# Altium PCB PCB_Organo_Prueba_V2.PcbDoc (part 1 of 2)
Units mil, origin at the board's own origin, x right, y up, seen from the top; angles counter-clockwise.
Board outline 5014.03 x 3533.9 mil, 2 copper layers (Top Layer, Bottom Layer); 87 components, 109 nets, 403 pads, 117 vias.
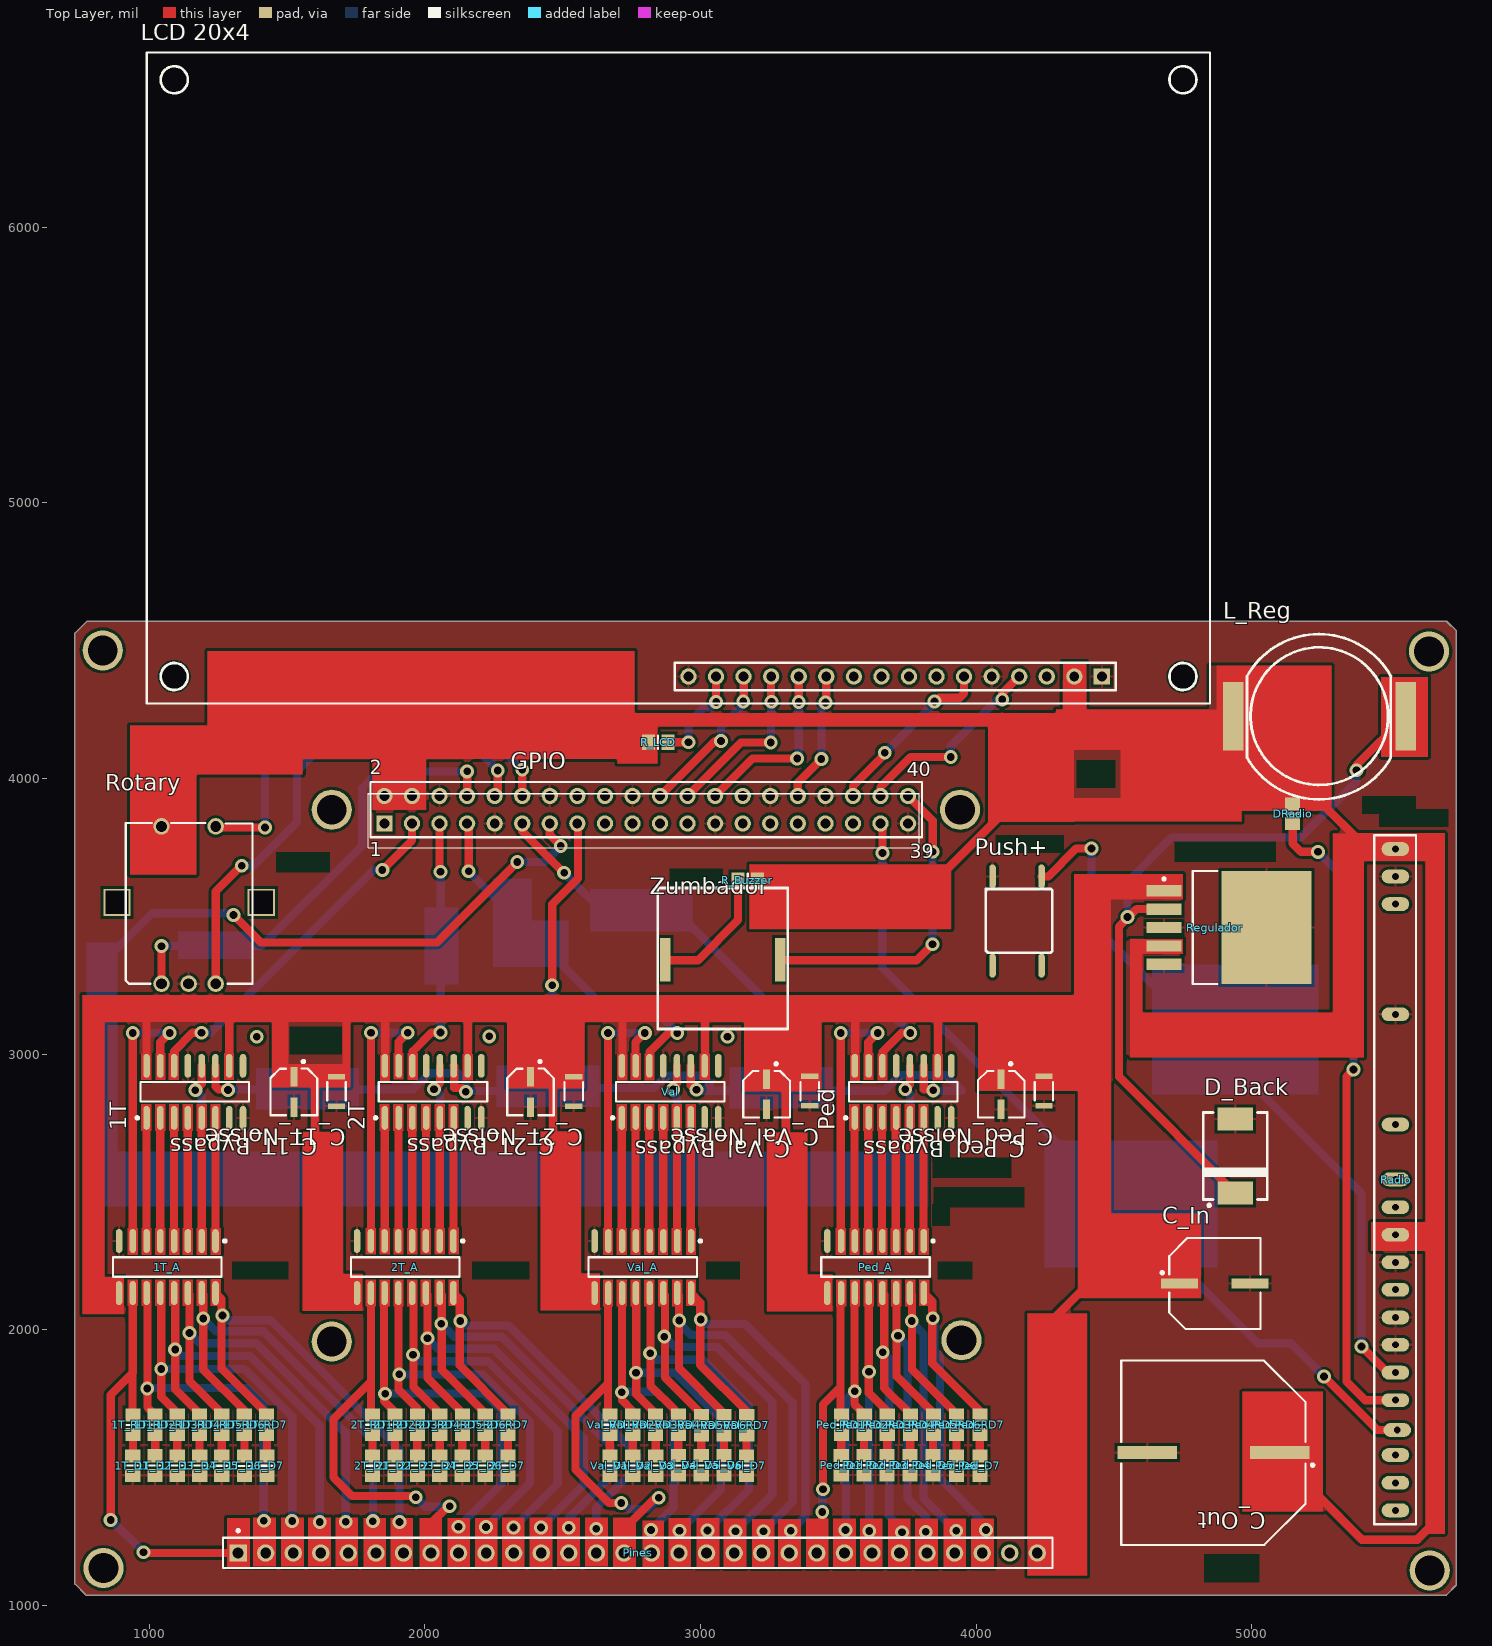
[diagram p0: Top Layer view]
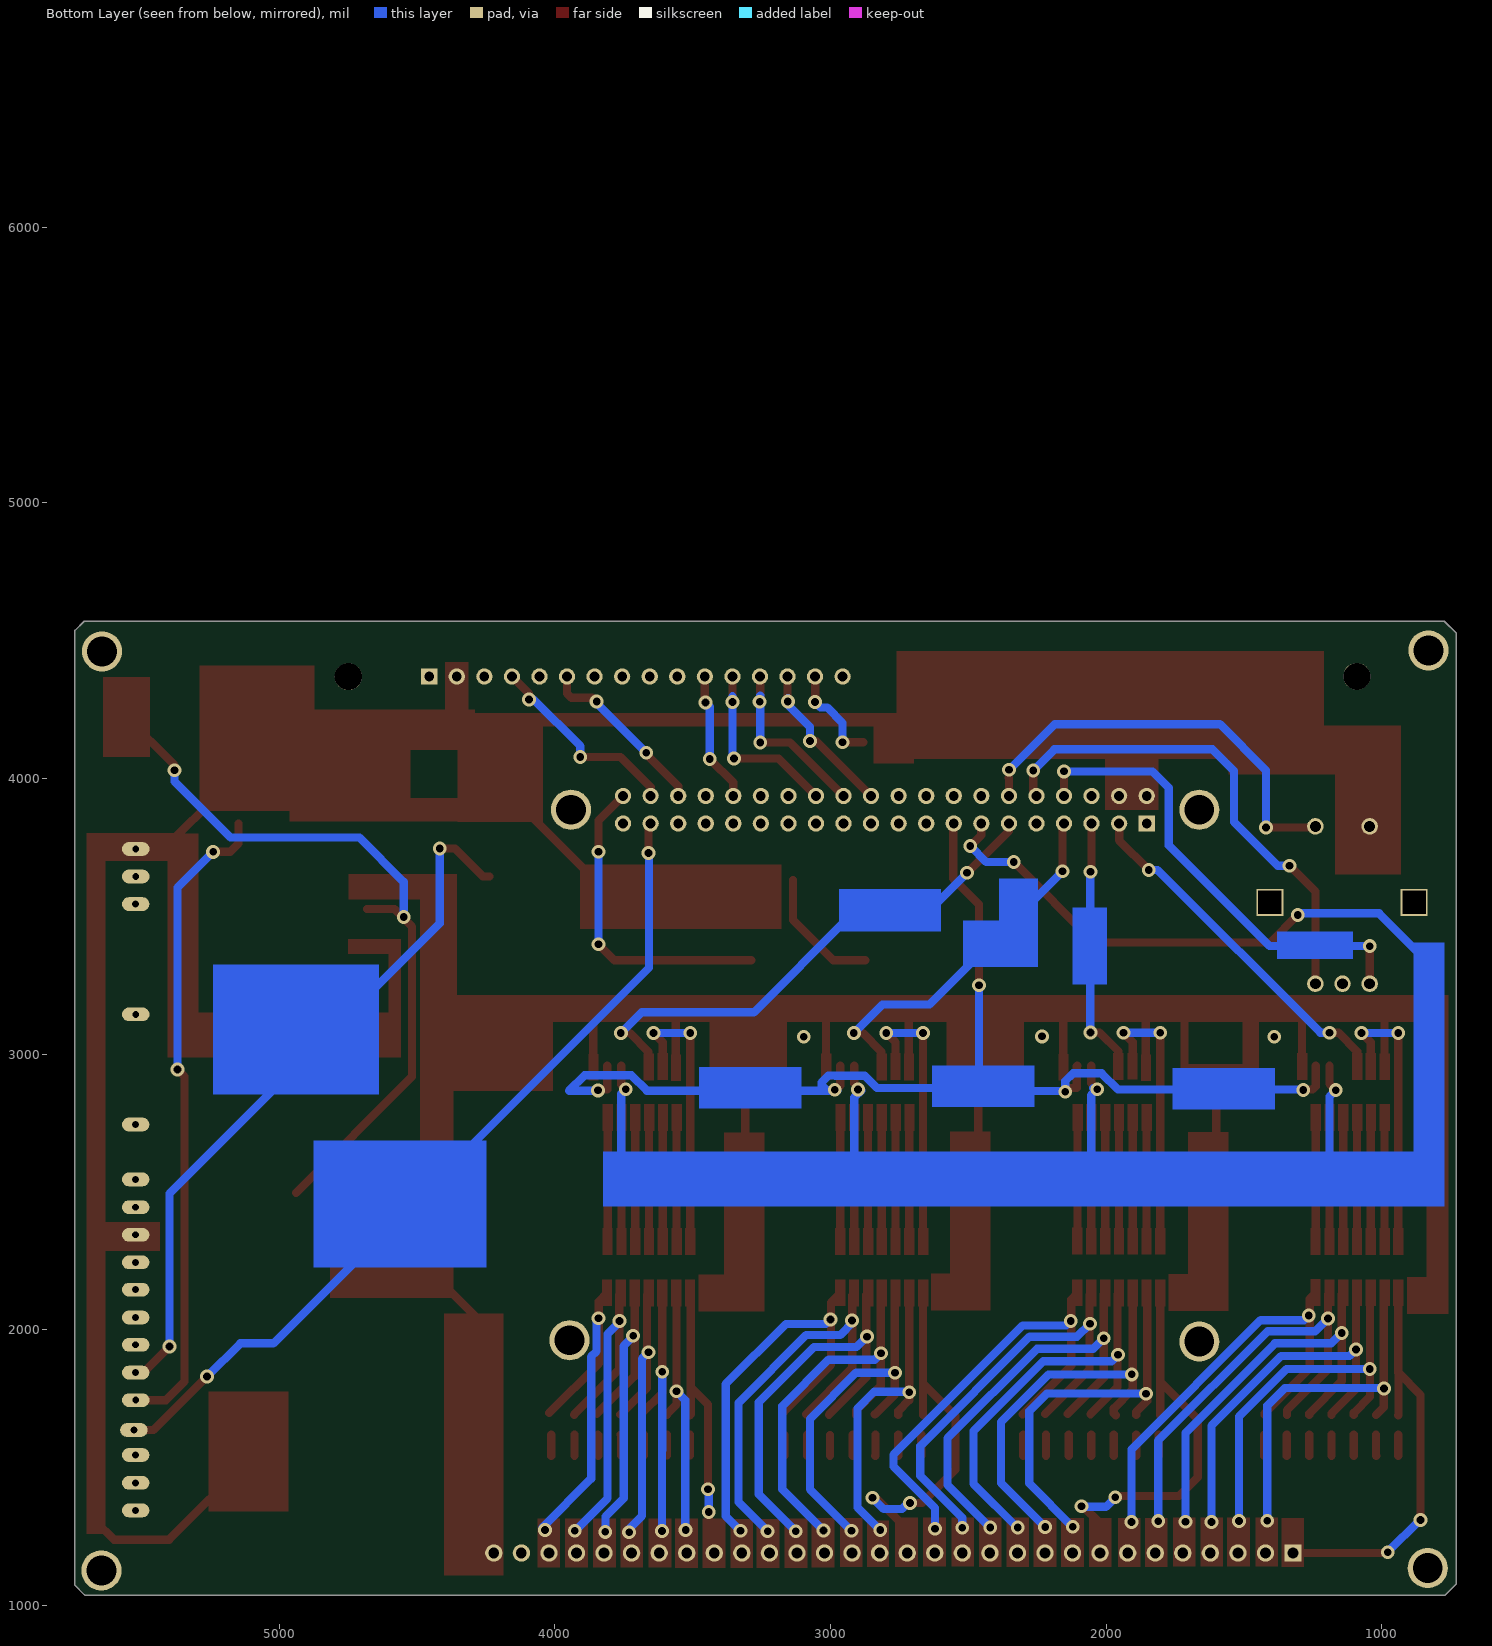
[diagram p1: Bottom Layer view, seen from below]

## Layer stack, top to bottom
Top Solder: solder mask 0.4, Solder Resist, Dk 3.5
Top Layer: signal copper 1.4
Dielectric 1: dielectric 12.6, FR-4, Dk 4.8
Bottom Layer: signal copper 1.4
Bottom Solder: solder mask 0.4, Solder Resist, Dk 3.5

## Board outline
769.41,1037.21 730.08,1076.54 cw(c732.87,1079.33) 728.92,1079.33 728.92,4524.6 cw(c732.87,4524.6) 730.08,4527.4 771.47,4568.79 cw(c774.27,4566) 774.27,4569.95 5707,4569.95 cw(c5707,4566) 5709.79,4568.79 5741.79,4536.79 cw(c5739,4534) 5742.95,4534 5742.95,1075 cw(c5739,1075) 5741.79,1072.21 5706.79,1037.21 cw(c5704,1040) 5704,1036.05 772.2,1036.05 cw(c772.2,1040)

## Design rules (kind name [scope] priority, off if disabled: settings)
Clearance Clearance_2 [All] p1: gap=10
Clearance Clearance_1 [All] p2: gap=10
Clearance [All] p3: gap=10
ComponentClearance [All vs HasFootprint('Raspberry')] p1: gap=10 collisioncheckmode=3 verticalgap=10 showdistances=FALSE
PolygonConnect [All] p1: connectstyle=Relief reliefconductorwidth=10 reliefentries=4 polygonreliefangle="90 Angle" airgapwidth=10
RoutingVias [All] p1: holewidth=28 width=50 viastyle="Through Hole" minholewidth=28 minwidth=50 maxholewidth=28 maxwidth=50
SMDNeckDown [All] p1: percent=200.000
SolderMaskExpansion [All] p1: expansion=4
Width [All] p1: maxlimit=40 minlimit=20 preferedwidth=30
28 further rules are at their usual default settings.

## Classes and differential pairs
component class Valvulas_Prueba: C_Val_Bypass C_Val_Noisse Val Val_A Val_D1 Val_D2 Val_D3 Val_D4 Val_D5 Val_D6 Val_D7 Val_RD1 Val_RD2 Val_RD3 Val_RD4 Val_RD5 Val_RD6 Val_RD7
component class Pedal_Prueba: C_Ped_Bypass C_Ped_Noisse Ped Ped_A Ped_D1 Ped_D2 Ped_D3 Ped_D4 Ped_D5 Ped_D6 Ped_D7 Ped_RD1 Ped_RD2 Ped_RD3 Ped_RD4 Ped_RD5 Ped_RD6 Ped_RD7
component class GPIO_Raspberry_b+: C_In C_Out D_Back GPIO L_Reg Regulador
component class Externos_prueba: DRadio "LCD 20x4" Pines Push+ R_Buzzer R_LCD Radio Rotary Zumbador
component class 2Teclado_Prueba: 2T 2T_A 2T_D1 2T_D2 2T_D3 2T_D4 2T_D5 2T_D6 2T_D7 2T_RD1 2T_RD2 2T_RD3 2T_RD4 2T_RD5 2T_RD6 2T_RD7 C_2T_Bypass C_2T_Noisse
component class 1Teclado_Prueba: 1T 1T_A 1T_D1 1T_D2 1T_D3 1T_D4 1T_D5 1T_D6 1T_D7 1T_RD1 1T_RD2 1T_RD3 1T_RD4 1T_RD5 1T_RD6 1T_RD7 C_1T_Bypass C_1T_Noisse

## Components (designator, comment, footprint, x,y, rotation, side; value= is the part's Value field where it differs from the comment)
1T "SN74HC595D" SN74HC595D 1164.77,2862.67 r90 top
1T_A "ULN2003D" ULN2003AI 1065,2227.11 r270 top
1T_D1 "LED_SMD" LED_0805 940,1506.5 r270 top
1T_D2 "LED_SMD" LED_0805 1020.44,1506.8 r270 top
1T_D3 "LED_SMD" LED_0805 1101.5,1506.5 r270 top
1T_D4 "LED_SMD" LED_0805 1182.5,1506.5 r270 top
1T_D5 "LED_SMD" LED_0805 1263,1506 r270 top
1T_D6 "LED_SMD" LED_0805 1345,1505.5 r270 top
1T_D7 "LED_SMD" LED_0805 1426.5,1506 r270 top
1T_RD1 "Res Chip 0805" Resistencia_0805_N 940.51,1654.25 r270 top
1T_RD2 "Res Chip 0805" Resistencia_0805_N 1021,1654.5 r270 top
1T_RD3 "Res Chip 0805" Resistencia_0805_N 1101.5,1654.5 r270 top
1T_RD4 "Res Chip 0805" Resistencia_0805_N 1182,1654.5 r270 top
1T_RD5 "Res Chip 0805" Resistencia_0805_N 1263,1654.5 r270 top
1T_RD6 "Res Chip 0805" Resistencia_0805_N 1344,1654.5 r270 top
1T_RD7 "Res Chip 0805" Resistencia_0805_N 1425,1655 r270 top
2T "SN74HC595D" SN74HC595D 2029.5,2862.68 r90 top
2T_A "ULN2003D" ULN2003AI 1928.5,2227.11 r270 top
2T_D1 "LED_SMD" LED_0805 1809.5,1506.02 r270 top
2T_D2 "LED_SMD" LED_0805 1891,1506.5 r270 top
2T_D3 "LED_SMD" LED_0805 1972.5,1506.5 r270 top
2T_D4 "LED_SMD" LED_0805 2054,1506.5 r270 top
2T_D5 "LED_SMD" LED_0805 2135.5,1506.5 r270 top
2T_D6 "LED_SMD" LED_0805 2218.5,1506.5 r270 top
2T_D7 "LED_SMD" LED_0805 2301,1506.5 r270 top
2T_RD1 "Res Chip 0805" Resistencia_0805_N 1809.5,1654.99 r270 top
2T_RD2 "Res Chip 0805" Resistencia_0805_N 1891,1655 r270 top
2T_RD3 "Res Chip 0805" Resistencia_0805_N 1972.5,1655 r270 top
2T_RD4 "Res Chip 0805" Resistencia_0805_N 2054,1655 r270 top
2T_RD5 "Res Chip 0805" Resistencia_0805_N 2136,1655 r270 top
2T_RD6 "Res Chip 0805" Resistencia_0805_N 2218.5,1655 r270 top
2T_RD7 "Res Chip 0805" Resistencia_0805_N 2301,1655 r270 top
C_1T_Bypass "Panasonic 1uF" "Panasonic B Size" 1524.5,2862.5 r270 top
C_1T_Noisse "AVX 100nF" "AVX Carcasa 1.206" 1679,2864.5 r270 top
C_2T_Bypass "Panasonic 1uF" "Panasonic B Size" 2383,2862.48 r270 top
C_2T_Noisse "AVX 100nF" "AVX Carcasa 1.206" 2539.5,2864.49 r270 top
C_In "Panasonic 100uF" "Panasonic F Size" 4866,2167 r0 top
C_Out "Panasonic 1000uF" "Panasonic J16 Size" 4861,1553.5 r180 top
C_Ped_Bypass "Panasonic 1uF" "Panasonic B Size" 4091,2854.02 r270 top
C_Ped_Noisse "AVX 100nF" "AVX Carcasa 1.206" 4246,2865.51 r270 top
C_Val_Bypass "Panasonic 1uF" "Panasonic B Size" 3239.5,2854 r270 top
C_Val_Noisse "AVX 100nF" "AVX Carcasa 1.206" 3396.5,2865.5 r270 top
D_Back "MURS320T3G" DO-214AB 4940,2630 r90 top
DRadio "LED_SMD" LED_0805 5148.43,3872.05 r270 top
GPIO "Raspberry b+" Raspberry 2803,3886.5 r0 top
L_Reg "DO-5040H-104ML_" "DO-5040H 15uH-1400uH" 5245.28,4225.59 r0 top
"LCD 20x4" "LCD 20x4" "LCD FORDATA 20x4" 3027.3,5390.28 r180 top
Ped "SN74HC595D" SN74HC595D 3735,2862.68 r90 top
Ped_A "ULN2003D" ULN2003AI 3635,2227.11 r270 top
Ped_D1 "LED_SMD" LED_0805 3510.5,1508 r270 top
Ped_D2 "LED_SMD" LED_0805 3593.5,1507.5 r270 top
Ped_D3 "LED_SMD" LED_0805 3677,1507.5 r270 top
Ped_D4 "LED_SMD" LED_0805 3760.5,1507.5 r270 top
Ped_D5 "LED_SMD" LED_0805 3843.5,1507 r270 top
Ped_D6 "LED_SMD" LED_0805 3929,1506.5 r270 top
Ped_D7 "LED_SMD" LED_0805 4013.5,1506 r270 top
Ped_RD1 "Res Chip 0805" Resistencia_0805_N 3511,1655 r270 top
Ped_RD2 "Res Chip 0805" Resistencia_0805_N 3594,1655 r270 top
Ped_RD3 "Res Chip 0805" Resistencia_0805_N 3677.5,1655 r270 top
Ped_RD4 "Res Chip 0805" Resistencia_0805_N 3761.5,1655 r270 top
Ped_RD5 "Res Chip 0805" Resistencia_0805_N 3845,1654.5 r270 top
Ped_RD6 "Res Chip 0805" Resistencia_0805_N 3929,1654.5 r270 top
Ped_RD7 "Res Chip 0805" Resistencia_0805_N 4013.5,1654 r270 top
Pines "Header 30x1" "Header 1X30" 1322,1189.5 r0 top
Push+ "Pulsador" Pulsador 4101.5,3768.5 r270 top
R_Buzzer "Res Chip 0805" Resistencia_0805_N 3171.5,3631 r180 top
R_LCD "Res Chip 0805" Resistencia_0805_N 2846,4131 r180 top
Radio "HIRK-433A RADIO MODULE" "HIRK-433A Radio Module" 5883.5,2544 r0 top
Regulador "LM2576HVSX-5.0/NOPB" TS5B_N_ 4918,3459 r0 top
Rotary "Rotary Encoder" RotaryPCB 1044,3255 r0 top
Val "SN74HC595D" SN74HC595D 2889.5,2862.68 r90 top
Val_A "ULN2003D" ULN2003AI 2790.5,2227.11 r270 top
Val_D1 "LED_SMD" LED_0805 2671,1506.49 r270 top
Val_D2 "LED_SMD" LED_0805 2754,1506.5 r270 top
Val_D3 "LED_SMD" LED_0805 2837.5,1506.5 r270 top
Val_D4 "LED_SMD" LED_0805 2919.5,1507 r270 top
Val_D5 "LED_SMD" LED_0805 3002.5,1507 r270 top
Val_D6 "LED_SMD" LED_0805 3085,1507 r270 top
Val_D7 "LED_SMD" LED_0805 3167,1506.5 r270 top
Val_RD1 "Res Chip 0805" Resistencia_0805_N 2671.5,1654.99 r270 top
Val_RD2 "Res Chip 0805" Resistencia_0805_N 2754,1655 r270 top
Val_RD3 "Res Chip 0805" Resistencia_0805_N 2837,1654.5 r270 top
Val_RD4 "Res Chip 0805" Resistencia_0805_N 2920,1654 r270 top
Val_RD5 "Res Chip 0805" Resistencia_0805_N 3003,1653.5 r270 top
Val_RD6 "Res Chip 0805" Resistencia_0805_N 3085.5,1653.5 r270 top
Val_RD7 "Res Chip 0805" Resistencia_0805_N 3168,1653.5 r270 top
Zumbador "Buzzer" Buzzer 3084.5,3374 r0 top

## Footprints (in the part's own frame and the unit in brackets; to place one, negate y for a bottom-side part, rotate by r counter-clockwise, add the part's x,y. Pads: shape width x height; smd on the part's side, far side on the other; paste and mask are expansions set on the pad)
"AVX Carcasa 1.206" [mm] "Molded Capacitor, 2-Leads, Body 3,20x1,60mm, IPC Medium Density"
  rect 0.5x1.6 smd: 1(-1.352,0) 2(1.357,0)
  silkscreen extent -0.85,-0.85 0.86,0.85, body extent -1.7,-0.83 1.7,0.85, height 1.71
Buzzer [mm]
  rect 1x4 smd: 1(5.2,-0.8) 2(-5.4,-0.8)
  silkscreen extent -6.1,-7.2 5.9,5.8, body extent -6.05,-6.68 5.95,5.32, height 3.07
DO-214AB [mm]
  rect 2.1x3.3 smd: A(3.4,0) K(-3.4,0)
  silkscreen extent -4.67,-2.95 4,2.95, body extent -3.97,-2.95 3.97,2.95, height 2.27
"DO-5040H 15uH-1400uH" [mm] "Bobina coilcraft SMD DO-5040H válido para 15uH hasta 1400uH"
  rect 1.9x6.35 smd: 1(-7.95,0) 2(7.95,0)
  silkscreen extent -6.66,-7.67 6.6,7.57, body extent -9.14,-7.37 9.4,7.37, height 11.97
"Header 1X30" [mm]
  rect 1.6x1.6 hole 0.99: 1(0,0)
  round 1.6 hole 0.99: 2(2.54,0) 3(5.08,0) 4(7.62,0) 5(10.16,0) 6(12.7,0) 7(15.24,0) 8(17.78,0) 9(20.32,0) 10(22.86,0) 11(25.4,0) 12(27.94,0) 13(30.48,0) 14(33.02,0) 15(35.56,0) 16(38.1,0) 17(40.64,0) 18(43.18,0) 19(45.72,0) 20(48.26,0) 21(50.8,0) 22(53.34,0) 23(55.88,0) 24(58.42,0) 25(60.96,0) 26(63.5,0) 27(66.04,0) 28(68.58,0) 29(71.12,0) 30(73.66,0)
  silkscreen extent -1.4,-1.4 75.06,2.17, body extent -1.39,-3.21 74.81,2.87, height 10.19
"HIRK-433A Radio Module" [mil] "CFP, 54-Leads, Body 63,50x14,50mm (max), Pitch 2,54mm, IPC Medium Density"
  oval 100x50 hole 25: 1(-362.2,1200) 2(-362.2,1100) 3(-362,1000) 7(-362.2,600) 11(-362,200) 13(-362,1) 14(-362,-100) 15(-362,-200) 16(-362,-300) 17(-362,-399) 18(-362,-500) 19(-362,-599) 20(-362,-700) 21(-362.2,-800) 22(-355.5,-908.5) 23(-362,-999) 24(-362,-1100) 25(-362,-1200)
  silkscreen extent -439,-1250 -287,1250, body extent -558,-1208 -312,1204, height 753
"LCD FORDATA 20x4" [mm] "LCD 4x20"
  rect 1.5x1.5 hole 0.9: 1(-36.297,25.923)
  round 1.5 hole 0.9: 2(-33.757,25.923) 3(-31.217,25.923) 4(-28.677,25.923) 5(-26.137,25.923) 6(-23.597,25.923) 7(-21.057,25.923) 8(-18.517,25.923) 9(-15.977,25.923) 10(-13.437,25.923) 11(-10.897,25.923) 12(-8.357,25.923) 13(-5.817,25.923) 14(-3.277,25.923) 15(-0.737,25.923) 16(1.803,25.923)
  silkscreen extent -46.27,-31.58 51.74,28.42, body extent -46.27,-31.58 51.74,28.42, height 2.2
LED_0805 [mm]
  rect 1.2x1.4 smd: 1(-0.9,0) 2(0.9,0)
  silkscreen extent 0,-0.6 0,0.6, body extent -1.05,-0.67 1.05,0.68, height 0.9
"Panasonic B Size" [mm] "Molded Capacitor, 2-Leads, Body 4,30x4,30mm, IPC Medium Density"
  rect 1.8x0.65 smd: 1(-1.4,0) 2(1.4,0)
  silkscreen extent -2.92,-2.15 2.15,2.15, body extent -2.3,-2.16 2.3,2.14, height 5.4
"Panasonic F Size" [mm] "Molded Capacitor, 2-Leads, Body 8,30x8,30mm, IPC Medium Density"
  rect 3.4x0.9 smd: 1(-3.25,0) 2(3.25,0)
  silkscreen extent -4.97,-4.2 4.2,4.2, body extent -4.94,-4.11 4.96,4.19, height 10.2
"Panasonic J16 Size" [mm] "Molded Capacitor, 2-Leads, Body 17,00x17,00mm, IPC Medium Density"
  rect 5.5x1.2 smd: 1(-6.1,0) 2(6.1,0)
  silkscreen extent -9.28,-8.5 8.5,8.5, body extent -8.89,-8.49 8.81,8.51, height 16.5
Pulsador [mil]
  oval 86.61x23.62 smd: 1(124,136) 2(448,136) 3(124,-42) 4(448,-42)
  silkscreen extent 170,-66 401,175, body extent 132,-76 446,180, height 169
Raspberry [mm] "Connector; Header; 20x2 Position"
  rect 1.5x1.5 hole 0.9: 1(-24.13,-1.27)
  round 1.5 hole 0.9: 2(-24.13,1.27) 3(-21.59,-1.27) 4(-21.59,1.27) 5(-19.05,-1.27) 6(-19.05,1.27) 7(-16.51,-1.27) 8(-16.51,1.27) 9(-13.97,-1.27) 10(-13.97,1.27) 11(-11.43,-1.27) 12(-11.43,1.27) 13(-8.89,-1.27) 14(-8.89,1.27) 15(-6.35,-1.27) 16(-6.35,1.27) 17(-3.81,-1.27) 18(-3.81,1.27) 19(-1.27,-1.27) 20(-1.27,1.27) 21(1.27,-1.27) 22(1.27,1.27) 23(3.81,-1.27) 24(3.81,1.27) 25(6.35,-1.27) 26(6.35,1.27) 27(8.89,-1.27) 28(8.89,1.27) 29(11.43,-1.27) 30(11.43,1.27) 31(13.97,-1.27) 32(13.97,1.27) 33(16.51,-1.27) 34(16.51,1.27) 35(19.05,-1.27) 36(19.05,1.27) 37(21.59,-1.27) 38(21.59,1.27) 39(24.13,-1.27) 40(24.13,1.27)
  silkscreen extent -25.4,-2.54 25.4,2.54, body extent -34.64,-54.66 54.98,3.64, height 11.3
Resistencia_0805_N [mm] "Chip Resistor, Body 2.0x1.2mm, IPC Medium Density"
  rect 1.2x1.4 smd: 1(-0.9,0) 2(0.9,0)
  silkscreen extent 0,-0.6 0,0.6, body extent -0.97,-0.62 1.03,0.63, height 0.78
RotaryPCB [mm]
  round 1.524 hole 1: A(0,0) B(5,0) C(2.5,0) D(0,14.5) E(5,14.5)
  rect 2.5x2.5 hole 2.1 square unplated: ""(-4.1,7.5) ""(9.2,7.5)
  silkscreen extent -3.3,0 8.4,14.81, body extent -4.93,-1.51 10.07,16.49, height 24.5
SN74HC595D [mm] "SOIC, 16-Leads, Body 9.9x3.9mm, Pitch 1.27mm, IPC Medium Density"
  oval 2.2x0.6 smd: 1(-2.4,4.445) 2(-2.4,3.175) 3(-2.4,1.905) 4(-2.4,0.635) 5(-2.4,-0.635) 6(-2.4,-1.905) 7(-2.4,-3.175) 8(-2.4,-4.445) 9(2.4,-4.445) 10(2.4,-3.175) 11(2.4,-1.905) 12(2.4,-0.635) 13(2.4,0.635) 14(2.4,1.905) 15(2.4,3.175) 16(2.4,4.445)
  silkscreen extent -2.52,-5 0.9,5.42, body extent -3.1,-4.92 2.9,4.98, height 1.45
TS5B_N_ [mm] "D2-PAK, 6-Leads, Body 8.6x10.2mm, Pitch 1.7mm, Lead Span 14.1mm, IPC Medium Density"
  rect 3.2x1.05 smd: 1(-6,3.4) 2(-6,1.7) 3(-6,0) 4(-6,-1.7) 5(-6,-3.4)
  rect 8.3x10.45 smd: 6(3.45,0)
  silkscreen extent -6.12,-5.2 -1.1,5.2, body extent -7.52,-5.03 7.54,5.13, height 2.05
ULN2003AI [mm] "SOIC, 16-Leads, Body 9.9x3.9mm, Pitch 1.27mm, IPC Medium Density"
  oval 2.2x0.6 smd: 1(-2.4,4.445) 2(-2.4,3.175) 3(-2.4,1.905) 4(-2.4,0.635) 5(-2.4,-0.635) 6(-2.4,-1.905) 7(-2.4,-3.175) 8(-2.4,-4.445) 9(2.4,-4.445) 10(2.4,-3.175) 11(2.4,-1.905) 12(2.4,-0.635) 13(2.4,0.635) 14(2.4,1.905) 15(2.4,3.175) 16(2.4,4.445)
  silkscreen extent -2.52,-5 0.9,5.42, body extent -3.13,-4.92 2.87,4.98, height 1.45

## Part data
1T 2T Ped Val: "8-Bit Shift Register with 3-State Output Registers"
1T_A 2T_A Ped_A Val_A: "Seven Darlington Array"
1T_D1 1T_D2 1T_D3 1T_D4 1T_D5 1T_D6 1T_D7 2T_D1 2T_D2 2T_D3 2T_D4 2T_D5 2T_D6 2T_D7 DRadio Ped_D1 Ped_D2 Ped_D3 Ped_D4 Ped_D5 Ped_D6 Ped_D7 Val_D1 Val_D2 Val_D3 Val_D4 Val_D5 Val_D6 Val_D7: "LED SMD"
1T_RD1 1T_RD2 1T_RD3 1T_RD4 1T_RD5 1T_RD6 1T_RD7 2T_RD1 2T_RD2 2T_RD3 2T_RD4 2T_RD5 2T_RD6 2T_RD7 Ped_RD1 Ped_RD2 Ped_RD3 Ped_RD4 Ped_RD5 Ped_RD6 Ped_RD7 R_Buzzer R_LCD Val_RD1 Val_RD2 Val_RD3 Val_RD4 Val_RD5 Val_RD6 Val_RD7: library part Resistencia
C_1T_Bypass C_2T_Bypass C_In C_Out C_Ped_Bypass C_Val_Bypass: "Condensador Electrolítico SMD"
C_1T_Noisse C_2T_Noisse C_Ped_Noisse C_Val_Noisse: "Condensador Cerámico SMD"
D_Back: "Surface Mount Schottky-Rectifiers"
L_Reg: library part Inductor, "Inductor"
Regulador: "SIMPLE SWITCHER® 3A Step-Down Voltage Regulator, 5-pin TO-263, Pb-Free"

## Free pads (board coordinates)
  round 145.67 hole 108.27: 0(830.75,4464.54) 0(833.25,1134.54) 0(1662,1956.5) 0(1662,3886.5) 0(3942,3886.5) 0(3947,1961.5) 0(5643.5,4461) 0(5646,1126)
  round 98.43 hole 98.43: 0(1090.3,4370.28) 0(4750.3,4369.28)

## Via types
v1: diameter 50, hole 28, Top Layer to Bottom Layer, 117 vias

## Nets (pads, with @x,y where several pads share a name; then routed paths per layer and width w, separated by ;. In a path a pad name is that pad's centre, name@x,y a point inside that pad or via, vN(x,y) a via of type N, cw(c..) or ccw(c..) an arc to the next point about the centre after c; other vN are vias at no path point)
5V: "LCD 20x4.2" C_Out.1 DRadio.1 GPIO.2 GPIO.4 L_Reg.1 R_Buzzer.1 R_LCD.2 Radio.1 Radio.15 Regulador.4 Rotary.D | length 3398.3
  Top Layer w30: R_Buzzer.1@3206.93,3631 3855,3631 4370.5,4146.5 ; 4356.3,4369.69 4356.3,4217.7 4418.5,4155.5 5053,4155.5 5059,4161.5 ; C_Out.1@5101.16,1553.5 5101.16,1536.34 5400,1237.5 5600.5,1237.5 5666.5,1303.5 ; 5205.5,3958.5 5420,3744 Radio.1@5521.3,3744
12V: 1T.10 1T.16 1T_A.9 2T.10 2T.16 2T_A.9 C_1T_Bypass.1 C_1T_Noisse.1 C_2T_Bypass.1 C_2T_Noisse.1 C_In.1 C_Ped_Bypass.1 C_Ped_Noisse.1 C_Val_Bypass.1 C_Val_Noisse.1 Ped.10 Ped.16 Ped_A.9 Pines.30 Regulador.1 Val.10 Val.16 Val_A.9 | length 6403.6
  Top Layer w30: 788,3158 796.5,3166.5 ; 854.87,2132.63 1T_A.9@890,2132.63 ; 1T.16@989.77,2957.15 990,2957.39 990,3163.5 ; 1230.5,3138 1482.5,3138 ; 1T.10@1289.77,2957.15 1289.77,3162.5 ; 1601,2256 1601,2921 ; 1724.37,2132.63 2T_A.9@1753.5,2132.63 ; 2T.16@1856,2953.89 1856,3168.5 1858.5,3171 ; 2154,3165.5 2155.77,3163.73 2T.10@2155.77,2953.65 ; C_2T_Bypass.1@2383,2917.6 2383,3161 2387,3165 ; 2464.5,2257.5 2464.5,2922.5 ; 2538,3163.5 2539.5,3162 C_2T_Noisse.1@2539.5,2917.72 ; 2713.5,3171 2716.5,3168 Val.16@2716.5,2955.89 ; 3015.5,3168.5 3016.27,3167.73 Val.10@3016.27,2955.65 ; C_Val_Bypass.1@3239.5,2909.12 3239.5,3145.5 3251,3157 ; 3309.5,2255.5 3309.5,2920.5 ; 3393.5,3161 3396.5,3158 C_Val_Noisse.1@3396.5,2918.73 ; Ped.16@3561.5,2953.89 3561.5,3171 3562.5,3172 ; Ped.10@3861.27,2953.65 3861.27,3164.27 3862,3165 ; 4086.5,3148 4091,3143.5 C_Ped_Bypass.1@4091,2909.13 ; 4222,1980.5 4396,2154.5 ; 4237.5,3154.5 4246,3146 C_Ped_Noisse.1@4246,2918.74 ; 4407.5,2497.55 4407.5,3158
GND: 1T.8 1T.13 1T_A.8 1T_D1.2 1T_D2.2 1T_D3.2 1T_D4.2 1T_D5.2 1T_D6.2 1T_D7.2 2T.8 2T.13 2T_A.8 2T_D1.2 2T_D2.2 2T_D3.2 2T_D4.2 2T_D5.2 2T_D6.2 2T_D7.2 "LCD 20x4.1" "LCD 20x4.5" "LCD 20x4.16" C_1T_Bypass.2 C_1T_Noisse.2 C_2T_Bypass.2 C_2T_Noisse.2 C_In.2 C_Out.2 C_Ped_Bypass.2 C_Ped_Noisse.2 C_Val_Bypass.2 C_Val_Noisse.2 D_Back.A GPIO.6 GPIO.9 GPIO.14 GPIO.20 GPIO.25 GPIO.30 GPIO.34 GPIO.39 Ped.8 Ped.13 Ped_A.8 Ped_D1.2 Ped_D2.2 Ped_D3.2 Ped_D4.2 Ped_D5.2 Ped_D6.2 Ped_D7.2 Push+.3 Radio.2 Radio.7 Radio.16 Radio.18 Radio.19 Regulador.3 Regulador.5 Regulador.6 Rotary.C Val.8 Val.13 Val_A.8 Val_D1.2 Val_D2.2 Val_D3.2 Val_D4.2 Val_D5.2 Val_D6.2 Val_D7.2
Net1T_1: 1T.1 1T_A.6 | length 446.7
  Top Layer w20: 1T_A.6@989.77,2321.83 1T_A.6@990,2321.6
  Top Layer w30: 1T_A.6@989.77,2321.83 1T.1@989.77,2768.18
Net1T_2: 1T.2 1T_A.5 | length 446.7
  Top Layer w30: 1T.2@1039.77,2768.18 1039.77,2321.83 1T_A.5@1040,2321.6
Net1T_3: 1T.3 1T_A.4 | length 446.7
  Top Layer w30: 1T.3@1089.77,2768.18 1089.77,2321.83 1T_A.4@1090,2321.6
Net1T_4: 1T.4 1T_A.3 | length 446.7
  Top Layer w30: 1T.4@1139.77,2768.18 1139.77,2321.83 1T_A.3@1140,2321.6
Net1T_5: 1T.5 1T_A.2 | length 446.7
  Top Layer w30: 1T.5@1189.77,2768.18 1189.77,2321.83 1T_A.2@1190,2321.6
Net1T_6: 1T.6 1T_A.1 | length 446.7
  Top Layer w30: 1T.6@1239.77,2768.18 1240,2767.95 1T_A.1@1240,2321.6
Net1T_11: 1T.11 2T.11 GPIO.15 Ped.11 Val.11 | length 4497.1
  Top Layer w30: 1T.11@1239.77,2957.15 1239.77,2882.23 1251,2871 1283.5,2871 v1(1285,2869.5) ; 2T.11@2104.5,2957.17 2106.5,2955.17 2106.5,2876.5 2135,2876.5 v1(2148.5,2863) ; v1(2461.5,3249.5) 2461.5,3543.29 2555,3636.79 2555,3834.5 GPIO.15@2553,3836.5 ; Val.11@2964.5,2957.17 2964.5,2885.5 v1@2977.5,2872.5 ; Ped.11@3810,2957.16 3810,2871.5 3840.5,2871.5 v1(3844,2868)
  Bottom Layer w30: v1@1283,2871 1957.29,2871 2016.29,2930 2120.71,2930 2148.5,2902.21 v1@2148.5,2869 ; v1(2148.5,2863) v1@2148.5,2869 ; 2461.5,2876.5 2831.29,2876.5 2876.29,2921.5 2983.5,2921.5 ; v1(2461.5,3249.5) 2461.5,2865.5 2152,2865.5 v1@2148.5,2869 ; v1@2975,2867 3013,2867 ; 2980.5,2922 3008,2922 3033,2897 3033,2887 3013,2867 ; v1@3844,2867 3948.5,2867 3893,2922.5 3722.29,2922.5 3666.79,2867 3013,2867
  other v1: 2985,2870
Net1T_12: 1T.12 2T.12 GPIO.13 Ped.12 Val.12 | length 7271.7
  Top Layer w30: v1(1167,2869) 1189.77,2891.77 1T.12@1189.77,2957.15 ; v1(1305,3504.5) 1404.5,3405 2043.5,3405 v1(2335.25,3696.75) ; v1(2032.5,2872.5) 2054.5,2894.5 2T.12@2054.5,2957.17 ; GPIO.13@2453,3836.5 2453,3794.5 v1(2493,3754.5) ; 2914.5,2892.8 Val.12@2914.5,2957.17 ; v1(3743,2872.5) 3760,2889.5 Ped.12@3760,2957.16
  Bottom Layer w30: 941,2538 935.5,2543.5 888,2543.5 835,2596.5 835,3336 1009.5,3510.5 v1@1297,3510.5 ; v1(1167,2869) 1189.77,2846.23 1189.77,2511.27 2054,2511.27 ; v1(2032.5,2872.5) 2054.5,2850.5 2054.5,2511.77 2054,2511.27 ; v1@2040,2877 v1@2046.5,2877 ; v1(2335.25,3696.75) 2435.25,3696.75 v1(2493,3754.5) ; v1@2888.5,2868 2914.5,2842 2914.5,2517.5 2908.27,2511.27 ; v1(3743,2872.5) 3760,2855.5 3760,2520 3751.27,2511.27 2908.27,2511.27 ; 2054,2511.27 2908.27,2511.27
  other v1: 2900.5,2871.5
Net1T_14: 1T.14 GPIO.3 | length 1298.8
  Top Layer w30: 1T.14@1089,2953 1089,3009.5 1157,3077.5 v1(1189.5,3077.5) ; v1(1845.5,3668) 1953,3775.5 GPIO.3@1953,3836.5
  Bottom Layer w30: v1(1189.5,3077.5) 1223,3077.5 1813.5,3668 v1(1845.5,3668)
Net1T_15: 1T.15 1T_A.7 | length 1021
  Top Layer w30: 1T_A.7@940,2321.6 v1(940,3076) ; 1T.15@1039.77,2957.15 1039.77,3042.77 1040.27,3042.77 v1(1073.5,3076)
  Bottom Layer w30: v1(940,3076) v1(1073.5,3076)
Net1T_A_10: 1T_A.10 1T_RD1.1 Pines.1 | length 1521.3
  Top Layer w30: v1(859.5,1309.5) 859.5,1763 940,1843.5 ; 1T_A.10@940,2132.63 940,1843.5 ; 1T_RD1.1@940.51,1689.69 939,1691.19 939,1842.5 940,1843.5 ; v1@979.5,1189.5 Pines.1@1322,1189.5
  Bottom Layer w30: v1(859.5,1309.5) 861.5,1309.5 v1(978.5,1192.5)
Net1T_A_11: 1T_A.11 1T_RD2.1 Pines.2 | length 1445.1
  Top Layer w30: 1T_A.11@990,2132.63 993.07,2129.56 993.07,1717.87 1T_RD2.1@1021,1689.93 ; v1(1415.5,1306.5) 1415.5,1196 Pines.2@1422,1189.5
  Bottom Layer w30: v1(992,1786.5) 993.5,1788 1352,1788 1415.5,1724.5 v1(1415.5,1306.5) v1@1414.5,1305.5
Net1T_A_12: 1T_A.12 1T_RD3.1 Pines.3 | length 1510.8
  Top Layer w30: 1T_A.12@1040,2132.63 1043,2129.63 1043,1756.5 1101.5,1698 1T_RD3.1@1101.5,1689.93 ; v1(1518,1305.5) 1518,1193.5 Pines.3@1522,1189.5
  Bottom Layer w30: v1(1043.5,1857) 1345.5,1857 1518,1684.5 v1(1518,1305.5)
Net1T_A_13: 1T_A.13 1T_RD4.1 Pines.4 | length 1566.9
  Top Layer w30: 1T_A.13@1093.5,2117.5 v1(1093.5,1928) 1093.5,1784.47 1182,1695.97 1T_RD4.1@1182,1689.93 ; v1(1618,1302) 1622,1298 Pines.4@1622,1189.5
  Bottom Layer w30: v1(1093.5,1928) 1117,1904.5 1365,1904.5 1618,1651.5 v1(1618,1302)
Net1T_A_14: 1T_A.14 1T_RD5.1 Pines.5 | length 1650.7
  Top Layer w30: 1T_A.14@1140,2132.63 1145.5,2127.13 v1(1145.5,1988) 1145.5,1812.97 1263,1695.47 1T_RD5.1@1263,1689.93 ; v1(1712.5,1303) 1712.5,1199 Pines.5@1722,1189.5
  Bottom Layer w30: v1(1145.5,1988) 1183.5,1950 1387.93,1950 1712.5,1625.43 v1(1712.5,1303)
Net1T_A_15: 1T_A.15 1T_RD6.1 Pines.6 | length 1717.9
  Top Layer w30: 1T_A.15@1190,2132.63 1195.5,2127.13 v1(1195.5,2040.5) 1195.5,1856 1344,1707.5 1T_RD6.1@1344,1689.93 ; v1(1811,1305) 1811,1200.5 Pines.6@1822,1189.5
  Bottom Layer w30: v1(1195.5,2040.5) 1242,1994 1414,1994 1811.14,1596.86 1811.14,1305.14 v1(1811,1305)
Net1T_A_16: 1T_A.16 1T_RD7.1 Pines.7 | length 1744.7
  Top Layer w30: 1T_A.16@1240,2132.63 1261.5,2111.13 1261.5,1858.97 1425,1695.47 1T_RD7.1@1425,1690.43 ; v1(1908,1301.5) 1908,1203.5 Pines.7@1922,1189.5
  Bottom Layer w30: v1(1265,2051) 1282,2034 1439.5,2034 1908,1565.5 v1(1908,1301.5)
Net1T_D1_1: 1T_D1.1 1T_RD1.2 | length 77.1
  Top Layer w30: 1T_D1.1@940,1541.93 940.51,1542.44 1T_RD1.2@940.51,1618.82
Net1T_D2_1: 1T_D2.1 1T_RD2.2 | length 77.1
  Top Layer w30: 1T_D2.1@1020.44,1542.23 1021,1542.79 1T_RD2.2@1021,1619.07
Net1T_D3_1: 1T_D3.1 1T_RD3.2 | length 77.1
  Top Layer w30: 1T_D3.1@1101.5,1541.93 1T_RD3.2@1101.5,1619.07
Net1T_D4_1: 1T_D4.1 1T_RD4.2 | length 77.3
  Top Layer w30: 1T_RD4.2@1182,1619.07 1182,1542.43 1T_D4.1@1182.5,1541.93
Net1T_D5_1: 1T_D5.1 1T_RD5.2 | length 77.6
  Top Layer w30: 1T_D5.1@1263,1541.43 1T_RD5.2@1263,1619.07
Net1T_D6_1: 1T_D6.1 1T_RD6.2 | length 78.5
  Top Layer w30: 1T_RD6.2@1344,1619.07 1345,1618.07 1T_D6.1@1345,1540.93
Net1T_D7_1: 1T_D7.1 1T_RD7.2 | length 78.8
  Top Layer w30: 1T_RD7.2@1425,1619.57 1426.5,1618.07 1T_D7.1@1426.5,1541.43
Net2T_1: 2T.1 2T_A.6 | length 446.7
  Top Layer w20: 2T_A.6@1853.77,2322.83 2T_A.6@1854,2322.6
  Top Layer w30: 2T_A.6@1853.77,2322.83 2T.1@1853.77,2769.18
Net2T_2: 2T.2 2T_A.5 | length 446.7
  Top Layer w30: 2T.2@1903.77,2769.18 1903.77,2322.83 2T_A.5@1904,2322.6
Net2T_3: 2T.3 2T_A.4 | length 446.7
  Top Layer w30: 2T.3@1953.77,2769.18 1953.77,2322.83 2T_A.4@1954,2322.6
Net2T_4: 2T.4 2T_A.3 | length 446.7
  Top Layer w30: 2T.4@2003.77,2769.18 2003.77,2322.83 2T_A.3@2004,2322.6
Net2T_5: 2T.5 2T_A.2 | length 446.7
  Top Layer w30: 2T.5@2053.77,2769.18 2053.77,2322.83 2T_A.2@2054,2322.6
Net2T_6: 2T.6 2T_A.1 | length 446.7
  Top Layer w30: 2T.6@2103.77,2769.18 2104,2768.95 2T_A.1@2104,2322.6
Net2T_14: 2T.14 GPIO.5 | length 1526.6
  Top Layer w30: 2T.14@1956,2953.5 1956,3010 2024,3078 v1(2056.5,3078) ; GPIO.5@2053,3836.5 2053,3665 v1(2056.5,3661.5)
  Bottom Layer w30: v1@2057.5,3079 2057.5,3661.5 v1@2057.5,3079
Net2T_15: 2T.15 2T_A.7 | length 1021
  Top Layer w30: 2T_A.7@1804,2322.6 v1(1804,3077) ; 2T.15@1903.77,2958.15 1903.77,3043.77 1904.27,3043.77 v1(1937.5,3077)
  Bottom Layer w30: v1(1804,3077) v1(1937.5,3077)
Net2T_A_10: 2T_A.10 2T_RD1.1 Pines.8 | length 1514.4
  Top Layer w30: 2T_A.10@1804,2132.13 1804,1812.5 ; 2T_RD1.1@1804.51,1689.19 1804,1689.69 1804,1812.5 ; v1@1968.5,1396 1736,1396 1668,1464 1668,1676.5 1804,1812.5 ; Pines.8@2022,1189.5 2022,1297.5 2083.5,1359 v1(2089.5,1359)
  Bottom Layer w30: v1(1967,1391.5) 2001.5,1357 v1@2089.5,1357
Net2T_A_11: 2T_A.11 2T_RD2.1 Pines.9 | length 1490.9
  Top Layer w30: 2T_A.11@1854,2132.13 1851,2129.13 1851,1741 1891,1701 2T_RD2.1@1891,1690.43 ; v1(2121.5,1284.5) 2121.5,1190 Pines.9@2122,1189.5
  Bottom Layer w30: v1(1855.5,1767) 1857,1768.5 2215.5,1768.5 2279,1705 2279,1442 v1(2121.5,1284.5)
Net2T_A_12: 2T_A.12 2T_RD3.1 Pines.10 | length 1561.9
  Top Layer w30: 2T_A.12@1904,2132.13 1904,1783 1972.5,1714.5 1972.5,1696.43 2T_RD3.1@1965.5,1689.43 ; v1(2221.5,1283.5) 2221.5,1190 Pines.10@2222,1189.5
  Bottom Layer w30: v1(1907,1837.5) 2209,1837.5 2381.5,1665 2381.5,1443.5 v1(2221.5,1283.5)
Net2T_A_13: 2T_A.13 2T_RD4.1 Pines.11 | length 1630.5
  Top Layer w30: 2T_A.13@1954,2132.13 1958.5,2127.63 1958.5,1791.5 2T_RD4.1@2056.78,1693.22 ; v1(2321,1282) 2321,1190.5 Pines.11@2322,1189.5
  Bottom Layer w30: v1(1957,1908.5) 1980.5,1885 2228.5,1885 2481.5,1632 2481.5,1440.5 v1@2322,1281
Net2T_A_14: 2T_A.14 2T_RD5.1 Pines.12 | length 1692.5
  Top Layer w30: 2T_A.14@2004,2132.13 2009,2127.13 2009,1824.5 2T_RD5.1@2139.53,1693.97 ; v1(2421,1282) 2421,1190.5 Pines.12@2422,1189.5
  Bottom Layer w30: v1(2009,1968.5) 2047,1930.5 2251.43,1930.5 2576,1605.93 2576,1437 v1(2421,1282)
Net2T_A_15: 2T_A.15 2T_RD6.1 Pines.13 | length 1758.5
  Top Layer w30: 2T_A.15@2054,2132.13 2060.5,2125.63 2060.5,1854.5 2T_RD6.1@2221.53,1693.47 ; Pines.13@2522,1189.5 v1(2522,1281)
  Bottom Layer w30: v1(2059,2021) 2105.5,1974.5 2277.5,1974.5 2674.64,1577.36 2674.64,1469.64 2522,1317 v1(2522,1281)
Net2T_A_16: 2T_A.16 2T_RD7.1 Pines.14 | length 1784.9
  Top Layer w30: 2T_A.16@2104,2132.13 2126.5,2109.63 2126.5,1869.5 2T_RD7.1@2303.28,1692.72 ; v1(2621.5,1277) 2621.5,1190 Pines.14@2622,1189.5
  Bottom Layer w30: v1(2128.5,2031.5) 2145.5,2014.5 2303,2014.5 2771.5,1546 2771.5,1503 2621.5,1353 v1(2621.5,1277)
Net2T_D1_1: 2T_D1.1 2T_RD1.2 | length 78.1
  Top Layer w30: 2T_D1.1@1809.5,1541.45 2T_RD1.2@1809.5,1619.56
Net2T_D2_1: 2T_D2.1 2T_RD2.2 | length 77.6
  Top Layer w30: 2T_D2.1@1891,1541.93 2T_RD2.2@1891,1619.57
Net2T_D3_1: 2T_D3.1 2T_RD3.2 | length 77.6
  Top Layer w30: 2T_D3.1@1972.5,1541.93 2T_RD3.2@1972.5,1619.57
Net2T_D4_1: 2T_D4.1 2T_RD4.2 | length 77.6
  Top Layer w30: 2T_D4.1@2054,1541.93 2T_RD4.2@2054,1619.57
Net2T_D5_1: 2T_D5.1 2T_RD5.2 | length 77.1
  Top Layer w30: 2T_D5.1@2135.5,1541.93 2T_RD5.2@2135.5,1619.07
Net2T_D6_1: 2T_D6.1 2T_RD6.2 | length 77.6
  Top Layer w30: 2T_D6.1@2218.5,1541.93 2T_RD6.2@2218.5,1619.57
Net2T_D7_1: 2T_D7.1 2T_RD7.2 | length 77.6
  Top Layer w30: 2T_D7.1@2301,1541.93 2T_RD7.2@2301,1619.57
NetD_Back_K: D_Back.K L_Reg.2 Regulador.2 | length 2750.5
  Top Layer w30: Regulador.2@4681.78,3525.93 4582.43,3525.93 4518.5,3462 4518.5,2917.64 D_Back.K@4940,2496.14 ; v1(5380.5,4030) 5380.5,4047.82 L_Reg.2@5558.27,4225.59
  Bottom Layer w30: v1(4549,3497.5) 4549,3625 4709.5,3785.5 5177.5,3785.5 5380.5,3988.5 v1(5380.5,4030)